# Altium PCB PcbLayout.PcbDoc (part 2 of 2)
Units mm, origin at the board's own origin, x right, y up, seen from the top; angles counter-clockwise.
Board outline 100.2 x 60.32 mm, 4 copper layers (Top level, GND, VDD Islands, Bottom level), stack 0.603 mm thick; 148 components, 119 nets, 459 pads, 174 vias.
Unrouted connection lines stored in the file: 11.
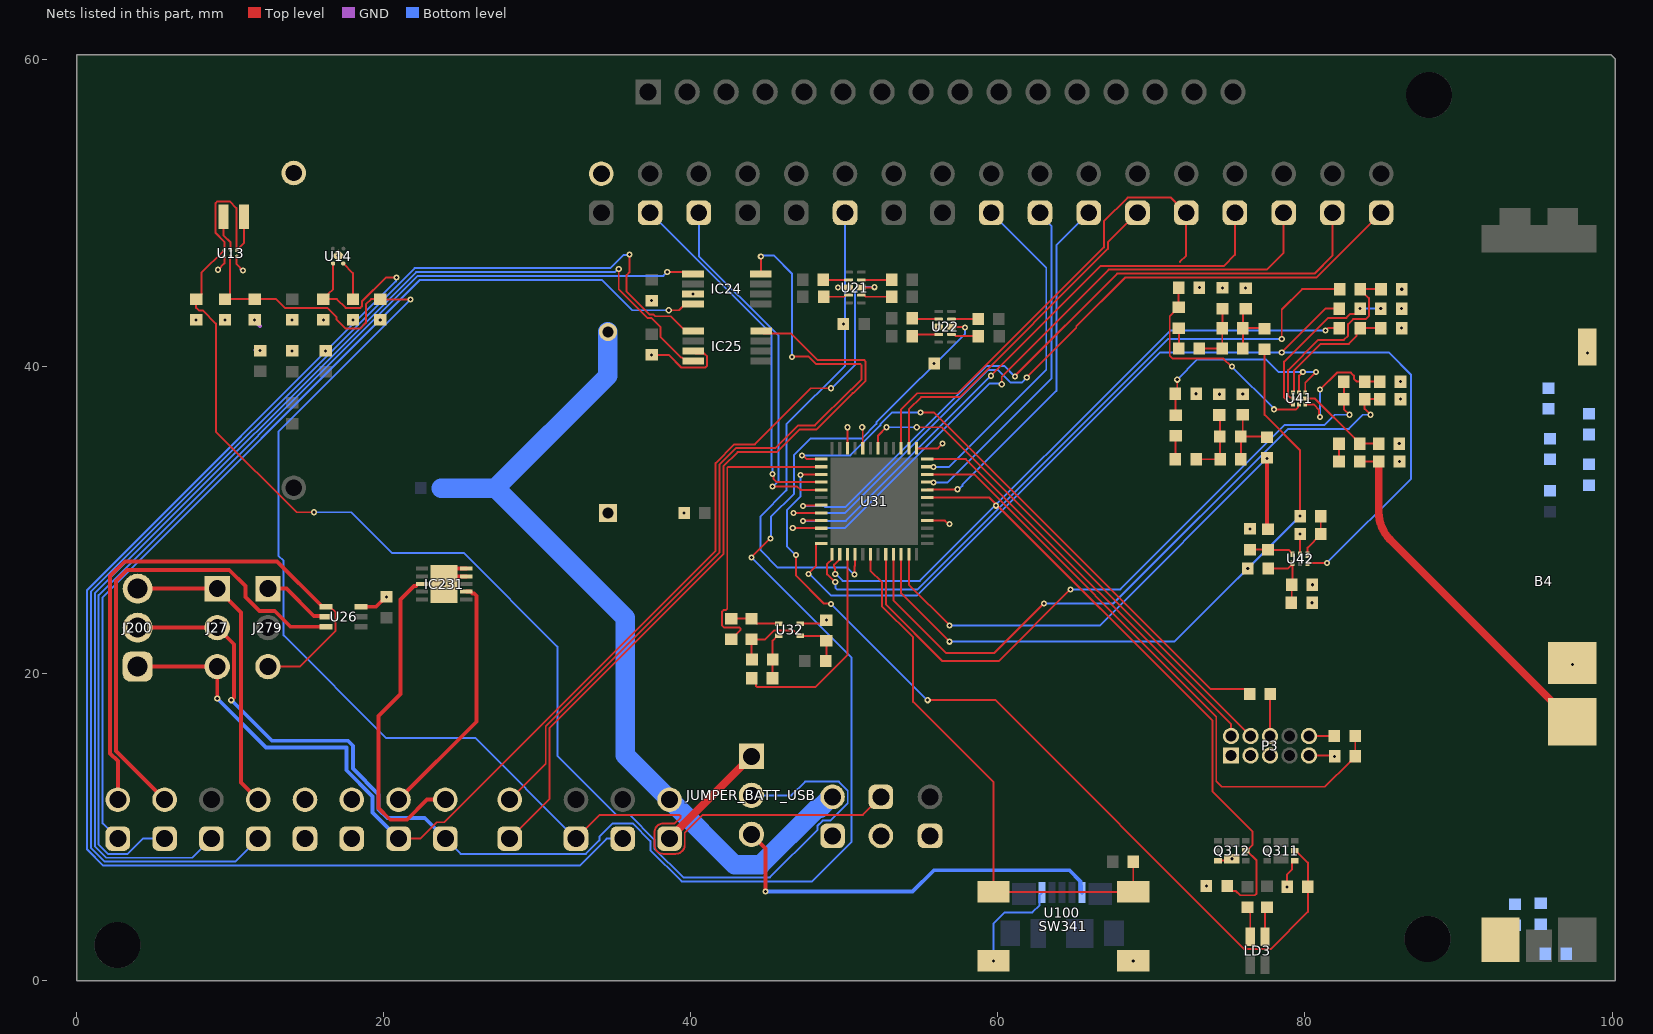
[diagram p4: the nets of this part, all layers, seen from the top]

## Via types
v1: diameter 0.4, hole 0.2, Top level to Bottom level, 99 vias
v2: diameter 0.4, hole 0.2, Top level to GND, 51 vias
v3: diameter 0.4, hole 0.2, Top level to VDD Islands, 22 vias
v4: diameter 1.27, hole 0.711, Top level to Bottom level, 2 vias

## Nets (pads, with @x,y where several pads share a name; then routed paths per layer and width w, separated by ;. In a path a pad name is that pad's centre, name@x,y a point inside that pad or via, vN(x,y) a via of type N, cw(c..) or ccw(c..) an arc to the next point about the centre after c; other vN are vias at no path point) (continued)
Drain: J27.2 J200.2 P_278.1 U22.8 | length 105.2
  Top level w0.127: v1(43.942,27.584) v1(45.182,28.825) ; U22.8@56.969,42.613 56.99,42.592 57.84,42.592 v1(57.861,42.57)
  Top level w0.254: J200.2@3.962,23.012 J27.2@9.144,23.012 10.223,21.933 10.223,18.453 v1(10.058,18.288)
  Bottom level w0.127: P_278.1@24.003,9.271 24.994,8.28 33.157,8.28 34.036,9.16 34.036,9.382 34.915,10.262 36.205,10.262 37.363,9.103 37.363,8.521 39.395,6.49 47.901,6.49 50.47,9.058 50.47,21.057 v1(43.942,27.584) ; v1(45.182,28.825) 45.212,28.854 45.212,30.225 46.726,31.739 46.726,34.275 47.779,35.327 51.12,35.327 52.086,36.294 52.086,36.379 57.861,42.154 v1(57.861,42.57)
  Bottom level w0.254: v1(10.058,18.288) 12.7,15.646 17.658,15.646 17.983,15.322 17.983,13.831 19.66,12.155 19.66,11.176 20.224,10.612 22.662,10.612 P_278.1@24.003,9.271
DRef_IN: IC25.8 P_273.1 | length 76.3
  Top level w0.127: v1(35.297,46.372) 35.297,45.058 37.184,43.171 37.441,43.171 38.03,42.581 38.03,41.944 39.364,40.61 39.433,40.61 39.668,40.376 IC25.8@40.155,40.376
  Bottom level w0.127: v1(8.763,9.271) 7.518,8.026 1.917,8.026 1.168,8.775 1.168,25.24 22.105,46.177 35.029,46.177 35.223,46.372 v1(35.297,46.372)
FE_CTRL1: R402.1 U31.12 U42.6 | length 70.2
  Top level w0.127: v1(47.65,26.518) 48.146,27.013 48.146,28.453 48.184,28.491 U31.12@48.489,28.491 ; v1(78.486,40.945) 81.331,43.79 R402.1@82.245,43.79 ; U42.6@80.176,27.203 80.189,27.216 81.42,27.216 v1(81.432,27.229)
  Bottom level w0.127: v1(47.65,26.518) 47.708,26.518 49.114,25.111 54.734,25.111 70.568,40.945 v1(78.486,40.945) 85.446,40.945 86.919,39.472 86.919,32.715 v1(81.432,27.229)
FE_CTRL2: R401.1 U31.13 | length 44.7
  Top level w0.127: U31.13@49.192,27.788 49.192,27.483 48.876,27.166 48.876,26.489 49.375,25.991 v1(49.4,25.991) ; v1(78.486,41.808) 78.486,43.739 79.807,45.06 R401.1@82.26,45.06
  Bottom level w0.127: v1(49.4,25.991) 49.404,25.986 49.404,25.6 49.503,25.502 54.765,25.502 71.072,41.808 v1(78.486,41.808)
FE_CTRL3: R403.2 U31.14 | length 41.3
  Top level w0.127: v1(49.4,26.518) 49.39,26.527 49.39,26.908 49.327,26.972 49.327,27.117 49.692,27.483 U31.14@49.692,27.788 ; v1(81.331,42.367) 81.483,42.52 R403.2@82.245,42.52
  Bottom level w0.127: v1(49.4,26.518) 49.425,26.518 49.882,26.06 54.915,26.06 71.222,42.367 v1(81.331,42.367)
G_High: J279.3 P_271.2 U26.4 | length 37.8
  Top level w0.127: J279.3@12.446,20.472 14.508,20.472 16.853,22.817 16.853,24.005 16.485,24.374 U26.4@16.237,24.374
  Top level w0.254: P_271.2@2.667,11.811 2.667,14.32 2.159,14.828 2.159,26.371 3.119,27.33 13.032,27.33 15.989,24.374 U26.4@16.237,24.374
G_High_IN: IC24.8 P_271.1 | length 64.1
  Top level w0.127: v1(38.557,43.688) 39.224,43.688 39.64,44.105 IC24.8@40.128,44.105
  Bottom level w0.127: v1(2.667,9.271) 1.676,10.262 1.676,24.994 22.352,45.669 34.188,45.669 36.17,43.688 v1(38.557,43.688)
G_Low: P_272.2 U26.6 | length 31.5
  Top level w0.254: P_272.2@5.715,11.811 2.54,14.986 2.54,26.064 3.257,26.781 9.924,26.781 10.986,25.72 10.986,25.003 11.898,24.091 12.893,24.091 13.911,23.074 U26.6@16.237,23.074
G_Low_IN: IC24.5 P_272.1 | length 68.7
  Top level w0.127: v1(38.456,46.177) 40.005,46.177 IC24.5@40.128,46.055
  Bottom level w0.127: v1(5.715,9.271) 4.302,9.271 3.312,8.28 2.022,8.28 1.422,8.88 1.422,25.135 22.21,45.923 38.202,45.923 v1(38.456,46.177)
Gate: J27.3 J200.1 P_277.1 U21.8 | length 77.2
  Top level w0.127: P_277.1@20.955,9.271 22.368,9.271 23.433,10.336 23.929,10.336 41.605,28.012 41.605,33.734 42.829,34.958 44.167,34.958 47.817,38.608 v1(49.127,38.608) ; U21.8@51.105,45.169 51.926,45.169 v1(51.947,45.191) v1@51.968,45.212
  Top level w0.254: J200.1@3.962,20.472 J27.3@9.144,20.472 v1(9.144,18.39)
  Bottom level w0.127: v1(49.127,38.608) 49.174,38.608 50.698,40.132 50.698,44.907 50.982,45.191 v1(51.947,45.191)
  Bottom level w0.254: v1(9.144,18.39) 12.318,15.215 17.551,15.215 17.551,13.725 19.253,12.022 19.253,10.973 P_277.1@20.955,9.271
GND: B4.2 BT?.N C111.1 C123.1 C124.1 C131.1 C133.1 C134.1 C135.1 C141.1 C142.1 C143.1 C211.2 C221.2 C232.2 C241.2 C251.2 C261.2 C301.2 C321.1 C401.1 C402.1 C403.1 C411.1 C413.1 C415.1 C421.1 C423.2 C425.2 C431.1 C433.2 C452.1 C461.1 C462.2 C463.2 C464.2 C465.2 IC24.7 IC25.7 IC231.4 IC231.5 IC231.11 L451.2 P3.03 P3.05 P3.09 P_275.1 P_275.2 P_276.1 P_276.2 P_Battery.1 P_Sup_Cap.1 P_Test_13.2 Q311.1 Q312.6 R122.2 R313.1 R314.1 SW341.1 U13.A2 U13.C2 U14.5 U21.3 U22.3 U26.3 U32.4 U41.6 U41.9 U42.2 U100.5 | length 32.9
  Top level w0.127: v2(9.195,46.33) 9.608,46.742 U13.C2@9.608,47.2 ; U13.A2@10.408,47.2 10.408,46.692 v2(10.82,46.279) ; C123.1@14.006,41.061 v2(14.021,41.046) ; v2(37.44,40.778) 38.547,40.778 39.364,39.96 40.947,39.96 41.058,40.072 41.058,40.68 40.874,40.864 40.317,40.864 IC25.7@40.155,41.026 ; U32.4@47.131,23.275 48.595,23.275 v2(48.819,23.499) ; v2(49.581,45.161) 49.585,45.165 50.266,45.165 U21.3@50.27,45.169 ; Q312.6@74.26,7.836 Q312.6@74.335,7.836 75.11,7.836 v2(75.235,7.961) ; C413.1@74.604,45.161 v2(74.625,45.14) ; v2(76.135,45.14) C415.1@76.149,45.125 ; v2(78.842,6.132) 78.842,6.943 79.149,7.25 79.149,7.724 79.26,7.836 Q311.1@79.335,7.836 ; U41.9@79.616,37.948 U41.6@79.616,38.341 79.616,39.433 v2(79.858,39.675) ; U42.2@79.676,27.788 v2(79.676,29.108) ; P3.09@80.264,14.681 81.875,14.681 v2(81.926,14.63)
  Top level w0.254: U26.3@18.51,24.374 19.493,24.374 20.143,25.023 v2(20.168,25.023) ; IC231.4@25.372,26.357 24.427,26.357 v2(23.927,25.857) 23.927,26.108 24.676,26.857 IC231.5@25.372,26.857
  GND w0.254: v2@10.73,46.33 10.781,46.279 v2(10.82,46.279) ; v2(11.582,43.064) 11.582,43.024 11.938,42.669 ; 11.627,41.089 11.91,41.089 v2(11.938,41.061) ; v2(14.021,41.046) v2@14.028,41.046 ; v2@16.046,43.064 v2(16.053,43.064) ; 17.955,42.796 17.955,43.036 v2(17.983,43.064) ; v2@49.581,45.122 v2(49.581,45.161) ; v2@49.936,42.75 v2(49.936,42.79) ; v2@56.134,42.574 v2(56.134,42.613) ; v1@72.913,38.292 v1(72.913,38.252) v1@72.931,38.234 ; v2(73.116,45.161) v2@73.127,45.15 ; v2@73.552,6.046 73.552,6.155 v2(73.58,6.183) ; v1@74.404,38.234 v1(74.422,38.216) v1@74.429,38.223 ; v2@74.614,45.15 v2(74.625,45.14) ; v2@75.207,7.81 75.207,7.933 v2(75.235,7.961) ; v1@75.939,38.223 v1(75.946,38.231) ; v2@76.425,29.403 v2(76.425,29.442) ; P3.03@76.454,14.532 P3.03@76.454,14.681 ; v2(80.467,24.638) v2@80.478,24.649 ; v2@80.478,25.796 v2(80.489,25.806) ; v2(86.142,35.001) v2@86.15,34.994 ; v2@86.142,37.777 86.222,37.857 v2(86.222,37.897) ; v2@86.15,33.84 v2(86.157,33.833) ; v2(86.222,39.04) 86.222,39.079 v2@86.288,39.145 ; v2(86.288,43.79) v2@86.295,43.797 ; v2@86.295,45.052 v2(86.302,45.06)
  Bottom level w0.127: v2(59.712,1.306) 59.712,3.75 60.434,4.472 62.245,4.472 62.714,4.941 62.714,5.594 U100.5@62.879,5.759
  other v2: 68.812,1.306 49.225,9.449 52.375,9.449 55.575,9.449 97.434,20.625 76.272,26.873 34.597,30.48 39.559,30.48 55.84,40.226 16.205,41.046 86.288,42.52 7.772,43.064 9.652,43.064 14.021,43.064 19.761,43.064 37.44,44.319 40.128,44.755 17.018,47.244
  other v4: 14.122,52.629
GRef: J279.1 U26.5 | length 4.5
  Top level w0.254: J279.1@12.446,25.552 13.652,25.552 15.43,23.774 16.186,23.774 U26.5@16.237,23.724
IN+_OP_AMP_DRAIN_MICRO: P_321.1 U31.38 | length 23
  Top level w0.127: U31.38@54.194,34.696 54.194,37.226 54.995,38.028 57.499,38.028 67.158,47.686 67.158,48.108 P_321.1@69.088,50.038
IN+_OP_AMP_GATE_MICRO: P_319.1 U31.33 | length 22
  Top level w0.127: U31.33@55.397,32.492 55.776,32.492 v1(55.807,32.461)
  Bottom level w0.127: v1(55.807,32.461) 56.693,32.461 63.5,39.268 63.5,49.176 62.738,49.938 v1(62.738,50.038)
IN_Drain_Minus: IC231.8 P_278.2 | length 21.2
  Top level w0.254: IC231.8@22.481,25.857 22.204,25.857 22.086,25.739 21.972,25.739 21.076,24.842 21.076,18.696 19.647,17.267 19.647,11.269 20.413,10.503 21.497,10.503 22.805,11.811 P_278.2@24.003,11.811
In_Gate_Minus: IC231.2 P_277.2 | length 16.1
  Top level w0.254: P_277.2@20.955,11.811 26.03,16.886 26.03,25.09 25.881,25.239 25.767,25.239 25.649,25.357 IC231.2@25.372,25.357
LED1: Q311.2 R313.2 U31.3 | length 57.4
  Top level w0.127: v1(46.838,27.737) 46.838,26.416 48.666,24.587 49.073,24.587 v1(49.115,24.545) ; v1(47.142,32.969) 47.166,32.992 U31.3@48.489,32.992 ; v1(55.423,18.288) 59.842,18.288 76.054,2.076 77.765,2.076 80.192,4.503 R313.2@80.192,6.132 80.192,7.705 79.41,8.486 Q311.2@79.335,8.486
  Bottom level w0.127: v1(46.838,27.737) 46.244,28.33 46.244,30.675 47.142,31.573 v1(47.142,32.969) ; v1(49.115,24.545) 49.141,24.545 55.397,18.288 v1(55.423,18.288)
LED2: Q312.2 R314.2 U31.31 | length 39.6
  Top level w0.127: U31.31@55.397,31.492 59.44,31.492 73.965,16.967 73.965,12.361 76.575,9.751 76.575,8.852 Q312.2@76.21,8.486 ; R314.2@74.93,6.183 74.93,6.158 75.242,5.846 75.507,5.846 75.772,5.581 76.73,5.581 76.841,5.693 76.841,7.854 Q312.2@76.21,8.486 ; Q312.2@76.135,8.486 Q312.2@76.21,8.486
  other v3: 59.868,30.957
MUX_DRAIN_A0_MICRO: P_324.1 U31.10 | length 44.2
  Top level w0.127: v1(46.634,29.515) 46.646,29.503 48.477,29.503 U31.10@48.489,29.492 ; v1(60.249,38.869) 60.249,39.37 67.208,46.33 77.521,46.33 78.613,47.422 P_324.1@78.613,50.038
  Bottom level w0.127: v1(46.634,29.515) 50.038,29.515 59.439,38.916 60.201,38.916 v1(60.249,38.869)
MUX_DRAIN_A1_MICRO: P_323.1 U31.9 | length 39.3
  Top level w0.127: v1(47.295,29.972) 47.305,29.982 48.479,29.982 U31.9@48.489,29.992 ; v1(59.538,39.421) 66.7,46.584 74.727,46.584 75.438,47.295 P_323.1@75.438,50.038
  Bottom level w0.127: v1(47.295,29.972) 50.089,29.972 v1(59.538,39.421)
MUX_GATE_A0_MICRO: P_326.1 U31.8 | length 48.9
  Top level w0.127: v1(46.685,30.48) 47.127,30.48 47.139,30.492 U31.8@48.489,30.492 ; v1(61.874,39.319) 65.101,42.546 65.101,42.647 68.275,45.822 80.747,45.822 P_326.1@84.963,50.038
  Bottom level w0.127: v1(46.685,30.48) 50.035,30.48 59.366,39.811 60,39.811 60.829,38.982 61.537,38.982 v1(61.874,39.319)
MUX_GATE_A1_MICRO: P_325.1 U31.7 | length 45.9
  Top level w0.127: v1(47.295,30.937) 47.322,30.965 48.461,30.965 U31.7@48.489,30.992 ; v1(61.11,39.373) 61.11,39.419 67.767,46.076 80.62,46.076 81.788,47.244 P_325.1@81.788,50.038
  Bottom level w0.127: v1(47.295,30.937) 48.684,30.937 48.751,30.87 50.066,30.87 59.261,40.065 60.418,40.065 v1(61.11,39.373)
N_RST: R341.1 SW341.2 U31.18 | length 36.4
  Top level w0.127: U31.18@51.693,27.788 51.693,26.736 52.439,25.989 52.439,24.418 54.474,22.383 54.474,18.173 59.712,12.934 SW341.2@59.712,5.806 SW341.2@68.812,5.806 R341.1@68.812,7.772
NetB4_1: B4.1 C451.1 L451.1 | length 23.3
  Top level w0.127: C451.1@83.566,33.833 L451.1@84.807,33.833
  Top level w0.508: L451.1@84.807,33.833 84.807,30.545 ccw(c87.347,30.545) 85.551,28.749 B4.1@97.409,16.891
NetB4_4: B4.4 R441.1
  other v1: 98.4,40.894
NetB4_5: B4.5 R446.1
NetC111_2: C111.2 P_SHTDWN_BTRY.2 P_Sup_Cap.2 R110.2 | length 55.9
  Bottom level w1.27: R110.2@23.738,32.106 27.28,32.106 ; C111.2@34.597,42.28 34.597,39.423 27.28,32.106 ; P_Sup_Cap.2@49.225,11.989 49.136,11.989 48.412,11.265 48.239,11.265 44.543,7.569 42.85,7.569 P_SHTDWN_BTRY.2@38.608,11.811 35.712,14.707 35.712,23.673 27.28,32.106
NetC131_2: C131.2 JUMPER_BATT_USB.2 L132.1 U13.A1 U13.C1 | length 90.9
  Top level w0.127: L132.1@10.9,49.784 10.9,48.092 U13.A1@10.408,47.6 10.408,48.882 10.385,48.905 10.385,50.344 9.954,50.775 9.146,50.775 9.035,50.663 9.035,48.722 9.608,48.15 U13.C1@9.608,47.6 9.588,47.58 9.556,47.58 8.109,46.133 8.109,44.725 7.797,44.414 C131.2@7.772,44.414 7.772,43.848 7.938,43.683 8.198,43.683 9.061,42.819 9.061,35.789 14.319,30.531 v1(15.443,30.531)
  Bottom level w0.127: v1(15.443,30.531) 17.882,30.531 20.523,27.889 25.19,27.889 31.296,21.784 31.296,14.675 35.15,10.82 36.005,10.82 37.617,9.208 37.617,8.626 39.5,6.744 45.148,6.744 48.235,9.831 48.235,10.093 48.581,10.439 49.076,10.439 50.216,11.579 50.216,12.399 49.635,12.979 47.439,12.979 46.55,12.09 JUMPER_BATT_USB.2@43.942,12.09
NetC133_2: C133.2 C134.2 C135.2 P_Test_3V3.1 P_Test_13.1 U13.B2 | length 95.3
  Top level w0.127: C134.2@9.652,44.414 C134.2@9.677,44.414 ; U13.B2@10.008,47.2 9.989,47.181 9.989,44.725 C134.2@9.677,44.414 ; v1(21.742,44.399) 19.776,44.399 C135.2@19.761,44.414 19.171,44.414 18.828,44.071 18.828,42.864 18.462,42.498 17.504,42.498 16.909,43.094 16.909,43.253 16.313,43.848 13.542,43.848 12.976,44.414 C133.2@11.582,44.414 C134.2@9.677,44.414 ; P_Test_3V3.1@32.512,9.271 34.061,10.82 39.249,10.82 39.324,10.746 39.324,10.641 38.944,10.262 38.208,10.262 ccw(c38.208,9.671) 37.617,9.671 37.617,8.871 ccw(c38.208,8.871) 38.208,8.28 39.008,8.28 ccw(c39.008,8.871) 39.599,8.871 39.599,9.658 40.761,10.82 51.206,10.82 P_Test_13.1@52.375,11.989
  Bottom level w0.127: v1(21.742,44.399) 13.132,35.789 13.132,27.69 13.461,27.36 13.461,22.511 20.161,15.812 25.971,15.812 P_Test_3V3.1@32.512,9.271
NetC141_2: C141.2 U14.2 | length 2.6
  Top level w0.127: U14.2@17.348,46.739 17.983,46.104 C141.2@17.983,44.414
NetC142_2: C142.2 P_test_1V5.1 U14.1 | length 90.3
  Top level w0.127: C142.2@16.053,44.414 C142.2@16.078,44.414 ; U14.1@16.688,46.739 16.688,45.049 16.389,44.75 16.389,44.725 C142.2@16.078,44.414 ; v1(20.828,45.822) 20.125,45.822 18.574,44.271 18.574,43.96 18.462,43.848 17.504,43.848 16.939,44.414 C142.2@16.078,44.414
  Bottom level w0.127: v1(20.828,45.822) 20.78,45.775 20.78,45.571 0.66,25.451 0.66,8.565 1.707,7.518 32.754,7.518 34.506,9.271 P_test_1V5.1@35.56,9.271
NetC321_2: C321.2 R321.1 R322.2 R323.2 U32.3 | length 8
  Top level w0.127: R323.2@43.978,20.944 43.942,20.98 R322.2@43.942,22.25 44.838,22.25 45.402,22.815 46.691,22.815 47.031,22.475 U32.3@47.131,22.475 48.468,22.475 48.794,22.149 C321.2@48.819,22.149 48.819,20.893 R321.1@48.768,20.843
NetC401_2: C401.2 R401.2 U41.8 | length 12.5
  Top level w0.127: U41.8@79.223,37.948 79.159,38.011 79.023,38.011 78.899,38.135 78.899,39.783 80.874,41.758 82.528,41.758 82.811,42.041 82.811,42.78 83.141,43.11 83.96,43.11 84.161,43.311 84.161,44.484 83.61,45.035 R401.2@83.61,45.06 C401.2@84.952,45.06
NetC402_2: C402.2 R402.2 U41.1 | length 10.8
  Top level w0.127: U41.1@79.216,37.554 79.153,37.617 79.029,37.617 78.645,38.002 78.645,40.342 81.502,43.199 82.699,43.199 82.953,43.453 83.284,43.453 83.595,43.765 v1(83.595,43.79)
  Bottom level w0.127: v1(83.595,43.79) v1(84.938,43.79)
NetC403_2: C403.2 R403.1 U41.7 | length 8.4
  Top level w0.127: U41.7@79.216,38.341 79.28,38.405 79.28,39.757 81.026,41.504 82.855,41.504 83.355,42.003 83.355,42.279 R403.1@83.595,42.52 C403.2@84.938,42.52
NetC411_2: C411.2 L411.2 U41.2 | length 14.8
  Top level w0.127: C411.2@71.766,45.161 71.766,43.88 71.19,43.304 71.19,40.73 71.382,40.538 74.683,40.538 75.191,40.03 v1(75.235,40.03) ; v1(77.985,37.236) 79.422,37.236 79.553,37.367 79.553,37.49 U41.2@79.616,37.554
  Bottom level w0.127: v1@75.235,40.008 v1@77.985,37.258
  Bottom level w0.254: v1@75.235,40.008 v1(75.235,40.03) ; v1(77.985,37.236) v1@77.985,37.258
NetC412_1: C412.1 L411.1 | length 1.3
  Top level w0.127: C412.1@71.766,41.199 71.78,41.213 L411.1@71.78,42.52
NetC412_2: C412.2 C413.2 C414.1 L412.2 | length 4.1
  Top level w0.127: C412.2@73.116,41.199 C414.1@74.611,41.199 L412.2@74.611,42.52 74.625,42.534 C413.2@74.625,43.79
NetC414_2: C414.2 C415.2 L412.1 L413.2 | length 4.2
  Top level w0.127: C414.2@76.033,41.271 C414.2@75.961,41.199 L412.1@75.961,42.52 ; C415.2@76.149,43.775 75.961,43.586 L412.1@75.961,42.52 ; L413.2@77.368,42.483 77.332,42.52 L412.1@75.961,42.52
NetC421_2: C421.2 L421.2 U41.5 | length 13.9
  Top level w0.127: L421.2@71.577,36.859 71.577,38.238 C421.2@71.563,38.252 71.679,38.369 v1(71.679,39.167) ; U41.5@80.016,38.341 80.016,38.97 v1(80.721,39.675)
  Bottom level w0.127: v1(71.679,39.167) 72.996,40.484 77.459,40.484 78.269,39.675 v1(80.721,39.675)
NetC422_1: C422.1 L421.1 | length 1.5
  Top level w0.127: C422.1@71.563,33.985 71.563,35.495 L421.1@71.577,35.509
NetC422_2: C422.2 C423.1 C424.1 L422.2 | length 4.5
  Top level w0.127: C422.2@72.913,33.985 C424.1@74.473,33.985 74.473,35.444 L422.2@74.458,35.458 74.458,36.83 C423.1@74.422,36.866
NetC424_2: C424.2 C425.1 L422.1 L423.2 | length 4.7
  Top level w0.127: C424.2@75.823,33.985 75.823,35.444 L422.1@75.808,35.458 ; C425.1@75.946,36.881 75.946,35.596 L422.1@75.808,35.458 ; L423.2@77.521,35.422 77.485,35.458 L422.1@75.808,35.458
NetC431_2: C431.2 C432.1 U41.3 | length 8
  Top level w0.127: U41.3@80.016,37.554 80.556,37.554 80.928,37.182 80.928,36.776 v1(80.975,36.728) ; v1(80.975,38.52) 82.085,39.63 82.993,39.63 83.191,39.433 83.191,39.237 83.388,39.04 C432.1@83.889,39.04 C431.2@84.872,39.04
  Bottom level w0.127: v1(80.975,36.728) v1(80.975,38.52)
NetC451_2: C451.2 L452.2 | length 1.2
  Top level w0.127: C451.2@82.216,33.833 L452.2@82.216,35.001
NetC452_2: C452.2 L452.1 U41.4 | length 6
  Top level w0.127: U41.4@80.01,37.948 80.62,37.948 83.229,35.338 83.254,35.338 83.566,35.026 L452.1@83.566,35.001 C452.2@84.792,35.001
NetC461_2: C461.2 L461.1 U42.3 | length 2.9
  Top level w0.127: C461.2@76.425,28.092 77.579,28.092 L461.1@77.593,28.078 78.937,28.078 79.176,27.838 U42.3@79.176,27.788
NetC462_1: C462.1 L462.1 U42.1 | length 2.9
  Top level w0.127: U42.1@80.176,27.762 80.176,28.233 81.026,29.083 C462.1@81.026,29.108 L462.1@81.026,30.277
NetIC24_4: IC24.4 P241_REFOUT_MAX.2 | length 53.9
  Top level w0.127: P241_REFOUT_MAX.2@28.194,11.811 30.543,14.16 30.543,16.592 41.859,27.907 41.859,33.629 42.934,34.704 45.496,34.704 46.979,36.186 48.076,36.186 50.431,38.541 50.473,38.541 51.115,39.184 51.115,40.108 51.041,40.183 48.152,40.183 47.644,40.691 46.634,40.691 v1(46.584,40.64) ; IC24.4@44.552,46.055 v1(44.552,47.193)
  Bottom level w0.127: v1(44.552,47.193) 44.604,47.245 45.414,47.245 46.584,46.076 v1(46.584,40.64)
NetIC25_4: IC25.4 P241_REFOUT_MAX.1 | length 50.5
  Top level w0.127: P241_REFOUT_MAX.1@28.194,9.271 30.797,11.874 30.797,16.486 42.113,27.802 42.113,33.523 43.039,34.45 45.601,34.45 47.084,35.932 48.182,35.932 50.537,38.287 50.578,38.287 51.369,39.079 51.369,40.362 51.295,40.437 48.257,40.437 46.529,42.164 44.741,42.164 IC25.4@44.579,42.326
NetJUMPER_BATT_USB_1: JUMPER_BATT_USB.1 P_SHTDWN_BTRY.1 | length 7.6
  Top level w0.127: P_SHTDWN_BTRY.1@38.608,9.271 P_SHTDWN_BTRY.1@38.608,9.296
  Top level w0.508: P_SHTDWN_BTRY.1@38.608,9.296 JUMPER_BATT_USB.1@43.942,14.63
NetLD3_1: LD3.1 R312.2 | length 2
  Top level w0.127: R312.2@76.251,4.797 cw(c75.803,4.349) 76.436,4.349 LD3.1@76.436,2.867
NetLD3_2: LD3.2 R311.2 | length 2
  Top level w0.127: LD3.2@77.386,2.867 77.386,4.486 cw(c77.846,4.486) R311.2@77.521,4.811
NetP3_10: P3.10 R301.1 | length 1.6
  Top level w0.127: P3.10@80.264,15.951 R301.1@81.911,15.951
NetR201_1: R201.1 U21.7 | length 2
  Top level w0.127: U21.7@51.105,44.669 51.287,44.669 51.389,44.568 R201.1@53.071,44.568
NetR202_1: R202.1 U21.4 | length 1.7
  Top level w0.127: R202.1@48.645,44.568 49.986,44.568 50.087,44.669 U21.4@50.27,44.669
NetR203_1: R203.1 U21.9 | length 2
  Top level w0.127: U21.9@51.105,45.669 53.055,45.669 R203.1@53.071,45.685
NetR204_1: R204.1 U21.2 | length 1.6
  Top level w0.127: R204.1@48.63,45.685 48.646,45.669 U21.2@50.27,45.669
NetR205_1: R205.1 U22.7 | length 1.8
  Top level w0.127: U22.7@56.969,42.113 57.152,42.113 57.261,42.004 R205.1@58.721,42.004
NetR206_1: R206.1 U22.4 | length 1.7
  Top level w0.127: R206.1@54.432,42.004 54.542,42.113 U22.4@56.134,42.113
NetR207_1: R207.1 U22.9 | length 1.7
  Top level w0.127: U22.9@56.969,43.113 58.699,43.113 R207.1@58.707,43.121
NetR208_1: R208.1 U22.2 | length 1.7
  Top level w0.127: R208.1@54.418,43.172 54.477,43.113 U22.2@56.134,43.113
NetR322_1: R322.1 R325.2 U32.1 | length 3.2
  Top level w0.127: R325.2@42.621,23.6 R322.1@43.942,23.6 43.967,23.6 44.293,23.275 U32.1@45.731,23.275
NetR323_1: R323.1 R324.2 U32.2 | length 3
  Top level w0.127: R324.2@45.314,19.725 45.328,19.74 R323.1@45.328,20.944 45.328,22.172 45.631,22.475 U32.2@45.731,22.475
NetR331_2: R331.2 U31.1 | length 39.3
  Top level w0.127: v1(47.235,34.231) 47.309,34.231 47.547,33.993 U31.1@48.489,33.993 ; v1(54.966,37.033) 55.829,37.033 73.831,19.031 76.077,19.031 76.389,18.719 R331.2@76.389,18.694
  Bottom level w0.127: v1(47.235,34.231) 50.383,34.231 52.34,36.188 52.34,36.274 53.099,37.033 v1(54.966,37.033)
NetR441_2: R441.2 R442.1
NetR442_2: R442.2 R443.1
NetR443_2: R443.2 R444.1
NetR444_2: R444.2 R445.1
NetR446_2: R446.2 R447.1
NetR447_2: R447.2 R448.1
NetR448_2: R448.2 R449.1
nReset: C301.1 R301.2 U31.34 | length 40.9
  Top level w0.127: U31.34@55.397,32.992 58.448,32.992 74.219,17.221 74.219,13.005 74.574,12.649 81.295,12.649 82.939,14.294 82.964,14.294 83.276,14.605 C301.1@83.276,14.63 83.276,15.937 R301.2@83.261,15.951
OUT_OP_AMP_DRAIN_micro: P_322.1 U31.39 | length 31.6
  Top level w0.127: U31.39@53.693,34.696 53.693,37.234 54.741,38.282 57.394,38.282 66.904,47.791 66.904,49.489 68.443,51.029 71.272,51.029 P_322.1@72.263,50.038 72.263,47.244 71.857,46.838
OUT_OP_AMP_GATE_MICRO: P_320.1 U31.32 | length 23.6
  Top level w0.127: U31.32@55.397,31.992 55.416,32.011 57.351,32.011 v1(57.37,32.029)
  Bottom level w0.127: v1(57.37,32.029) 57.443,32.029 57.664,32.25 57.701,32.25 57.701,32.34 63.805,38.444 63.805,47.93 v1(65.913,50.038)
PIN_MONITOR: P_311.1 U31.4 | length 23.9
  Top level w0.127: v1(45.319,33.02) 45.372,32.968 45.372,32.707 45.582,32.497 48.484,32.497 U31.4@48.489,32.492
  Bottom level w0.127: v1(37.338,50.038) 45.263,42.113 45.263,33.474 45.319,33.417 v1(45.319,33.02)
SCLK: R324.1 U31.15 | length 14
  Top level w0.127: R324.1@43.964,19.725 44.238,19.451 44.238,19.209 44.312,19.134 48.104,19.134 50.193,21.223 U31.15@50.193,27.788
SCLK_MICRO: P_315.1 U31.16 | length 32.4
  Top level w0.127: v1(50.648,26.467) 50.648,27.015 50.693,27.06 U31.16@50.693,27.788
  Bottom level w0.127: v1(50.038,50.038) 50.038,40.071 46.218,36.251 46.218,31.95 44.538,30.269 44.538,28.056 45.669,26.924 50.19,26.924 v1(50.648,26.467)
SDATA: R325.1 U31.2 | length 18.9
  Top level w0.127: R325.1@42.621,22.25 43.226,22.855 43.226,22.961 43.152,23.035 42.142,23.035 42.031,23.146 42.031,24.054 42.142,24.166 42.293,24.166 42.367,24.24 42.367,33.418 42.442,33.493 U31.2@48.489,33.493
SEL_MUX_VGATE_MICRO: P_312.1 U31.5 | length 23.4
  Top level w0.127: v1(45.319,32.207) 46.926,32.207 47.141,31.992 U31.5@48.489,31.992
  Bottom level w0.127: v1(40.513,50.038) 40.513,47.222 45.71,42.025 45.71,32.598 v1(45.319,32.207)
Sg_Radio_RF0_HP: L423.1 L461.2 U31.23 | length 35.9
  Top level w0.127: U31.23@54.194,27.788 54.194,25.816 v1(56.845,23.165) ; L461.2@77.521,29.5 L461.2@77.593,29.428
  Top level w0.254: L423.1@77.273,33.824 L423.1@77.521,34.072 v1(77.521,34.036) L461.2@77.521,29.5
  Bottom level w0.127: v1(56.845,23.165) 66.65,23.165 v1(77.521,34.036)
Sg_Radio_RF0_LP: L413.1 L462.2 U31.22 | length 45
  Top level w0.127: U31.22@53.693,27.788 53.693,25.25 v1(56.845,22.098) ; L413.1@77.368,41.133 77.368,36.871 79.676,34.564 v1(79.676,30.277)
  Bottom level w0.127: v1(56.845,22.098) 71.497,22.098 v1(79.676,30.277)
Sg_Radio_RFI_N: C433.1 L431.1 U31.21 | length 44.1
  Top level w0.127: U31.21@53.193,27.788 53.193,24.785 56.607,21.371 59.776,21.371 v1(62.992,24.587) ; v1(84.277,36.881) 83.889,37.269 L431.1@83.889,37.897 C433.1@84.872,37.897
  Bottom level w0.127: v1(62.992,24.587) 67.52,24.587 78.899,35.966 82.855,35.966 83.769,36.881 v1(84.277,36.881)
Sg_Radio_RFI_P: C432.2 L431.2 U31.20 | length 44
  Top level w0.127: U31.20@52.693,27.788 52.693,24.523 56.388,20.828 60.046,20.828 v1(64.719,25.502) ; C432.2@82.539,39.04 L431.2@82.539,37.897 82.539,37.247 v1(82.906,36.881)
  Bottom level w0.127: v1(64.719,25.502) 67.97,25.502 78.689,36.22 81.28,36.22 81.94,36.881 v1(82.906,36.881)
SHTDWN_LTC2067_MICRO: P_318.1 U31.35 | length 22.1
  Top level w0.127: U31.35@55.397,33.493 55.792,33.493 v1(55.807,33.477)
  Bottom level w0.127: v1(55.807,33.477) 56.794,33.477 63.144,39.827 63.144,46.457 v1(59.563,50.038)
Source: J27.1 J200.3 P_274.2 | length 20
  Top level w0.254: J200.3@3.962,25.552 J27.1@9.144,25.552 10.698,23.999 10.698,12.924 P_274.2@11.811,11.811
Source_IN: IC25.5 P_274.1 | length 80.6
  Top level w0.127: v1(35.994,47.318) 35.994,46.162 35.814,45.983 35.814,44.9 37.289,43.425 37.546,43.425 37.673,43.298 38.696,43.298 39.668,42.326 IC25.5@40.155,42.326
  Bottom level w0.127: v1(11.811,9.271) 10.312,7.772 1.812,7.772 0.914,8.67 0.914,25.346 22,46.431 34.747,46.431 35.603,47.287 35.962,47.287 v1(35.994,47.318)
SW_Boost: L132.2 U13.B1 | length 2.4
  Top level w0.127: L132.2@9.55,49.784 9.55,48.566 10.008,48.109 U13.B1@10.008,47.6
SWCLK: P3.04 U31.42 | length 33.7
  Top level w0.127: U31.42@52.193,34.696 52.193,35.531 v1(52.73,36.068) ; v1(54.712,36.068) 56.337,36.068 P3.04@76.454,15.951
  Bottom level w0.127: v1(52.73,36.068) v1(54.712,36.068)
SWDIO: P3.02 U31.36 | length 27.7
  Top level w0.127: U31.36@55.397,33.993 57.905,33.993 75.184,16.713 P3.02@75.184,15.951
SWO: P3.06 R331.1 | length 2.7
  Top level w0.127: P3.06@77.724,15.951 77.724,18.68 R331.1@77.739,18.694
VDD_nrf91: P3.01 P31.2 U31.28 U31.37 U31.44 U31.46 | length 6.1
  Top level w0.127: v3(50.19,36.068) 50.193,36.066 U31.46@50.193,34.696 ; v3(51.156,36.068) 51.193,36.031 U31.44@51.193,34.696 ; U31.37@54.694,34.696 56.083,34.696 v3(56.388,35.001) ; U31.28@55.397,29.992 56.548,29.992 56.771,29.769 v3(56.845,29.769)
VDD_USB: JUMPER_BATT_USB.3 U100.1 | length 26.7
  Top level w0.254: JUMPER_BATT_USB.3@43.942,9.55 44.856,8.636 v1(44.856,5.82)
  Bottom level w0.127: U100.1@65.479,5.759 65.479,5.86 U100.1@65.479,6.216
  Bottom level w0.254: v1(44.856,5.82) 54.437,5.82 55.831,7.214 64.648,7.214 65.377,6.484 65.377,6.216 65.377,5.86 U100.1@65.479,5.759
VR_PA: C463.1 C464.1 C465.1 U42.4 | length 4.3
  Top level w0.127: C463.1@77.622,26.873 78.897,26.873 U42.4@79.176,27.153 ; C465.1@79.117,24.638 79.139,24.66 C464.1@79.139,25.806 79.176,25.844 U42.4@79.176,27.153 ; U42.4@79.176,27.203 U42.4@79.176,27.153
pads on no net: B4.3 B4.3_1 B4.3_2 B4.6 B4.7 H1.1 H2.1 H3.1 P3.07 P3.08 Q311.3 Q311.4 Q311.5 Q312.3 Q312.4 Q312.5 R445.2 R449.2 U31.19 U31.24 U31.25 U31.26 U31.27 U31.30 U31.41 U31.47 U31.48 U31.49 U100.2 U100.3 U100.4 U100.6 U100.7 U100.8 U100.9 U100.10 U100.11
copper on no net:
  other v1: 98.298,3.505 14.935,5.69

## Polygon pours and split planes (outlines as drawn)
no net on Bottom level "NONET_L04_P019" (solid, pour order 19): 94.158,1.219 94.158,1.524 94.793,1.524 94.793,1.219
no net on Bottom level "NONET_L04_P015" (solid, pour order 15): 94.793,1.219 94.793,4.166 96.114,4.166 96.114,1.219
no net on Bottom level "NONET_L04_P018" (solid, pour order 18): 96.088,3.861 96.088,4.166 96.52,4.166 96.52,3.861
no net on Bottom level "NONET_L04_P017" (solid, pour order 17): 95.91,4.521 92.964,4.521 92.964,5.842 95.91,5.842
no net on Bottom level "NONET_L04_P016" (solid, pour order 16): 96.52,1.219 96.52,4.166 99.162,4.166 99.162,1.219
no net on Bottom level "NONET_L04_P014" (solid, pour order 14): 92.862,1.219 92.862,4.166 94.183,4.166 94.183,1.219
no net on Bottom level "NONET_L04_P010" (solid, pour order 10): 91.237,1.219 91.237,4.166 92.558,4.166 92.558,1.219
no net on Bottom level "NONET_L04_P009" (solid, pour order 9): 97.18,34.798 97.587,34.798 97.587,34.366 97.18,34.366
no net on Bottom level "NONET_L04_P008" (solid, pour order 8): 97.18,36.487 97.587,36.487 97.587,36.055 97.18,36.055
NetR441_2 on Bottom level "NETR441_2_L04_P007" (solid, pour order 7): 97.18,38.163 97.587,38.163 97.587,37.732 97.18,37.732
no net on Bottom level "NONET_L04_P004" (solid, pour order 4): 95.199,37.744 99.162,37.744 99.162,36.474 95.199,36.474
no net on Bottom level "NONET_L04_P005" (solid, pour order 5): 95.199,41.808 99.162,41.808 99.162,38.151 95.199,38.151
no net on Bottom level "NONET_L04_P003" (solid, pour order 3): 95.199,36.068 99.162,36.068 99.162,34.798 95.199,34.798
no net on Bottom level "NONET_L04_P002" (solid, pour order 2): 95.199,34.392 99.162,34.392 99.162,33.122 95.199,33.122
no net on Bottom level "NONET_L04_P001" (solid, pour order 1): 95.199,32.715 99.162,32.715 99.162,31.445 95.199,31.445
no net on Bottom level "NONET_L04_P000" (solid, pour order 0): 95.199,31.039 99.162,31.039 99.162,29.769 95.199,29.769
1V5 on VDD Islands "1V5_L03_P029" (solid, pour order 29): 57.912,33.59 57.912,30.48 58.725,29.667 59.69,30.48 59.608,35.286 55.778,39.116 46.177,38.76 48.362,27.838 34.036,12.446 33.528,10.516 30.124,10.211 15.596,24.74 15.596,45.364 13.31,45.364 11.024,43.078 11.024,21.793 22.758,7.315 33.642,7.315 35.306,9.042 50.851,27.838 48.469,37.338 56.1,37.084 58.155,34.785
3V3 on VDD Islands "3V3_L03_P031" (solid, pour order 31): 87.478,54.356 87.478,10.414 78.588,0.406 77.165,0.406 0.254,0.406 0.254,54.204 0.508,54.458 0.61,54.356
VDD_nrf91 on VDD Islands "VDD_NRF91_L03_P030" (solid, pour order 30): 34.938,51.359 35.509,51.99 35.509,53.696 34.696,54.508 0.254,54.508 0.254,8.331 3.708,5.436 4.166,5.436 62.281,5.436 65.227,8.382 70.612,8.382 77.013,14.326 77.013,16.612 71.476,16.612 57.201,30.886 57.201,35.458 55.778,36.881 49.245,37.053 49.53,35.458 50.8,34.341 55.067,34.341 55.474,33.934 55.474,29.159 70.815,13.818 67.615,10.617 48.514,10.617 44.735,6.838 5.282,7.385 3.79,9.8 2.667,35.281 3.251,35.865 18.745,51.359
GND on GND "GND_L02_P033" (solid, pour order 33): 79.959,54.305 99.314,34.95 99.314,0.66 2.083,0.66 0.254,2.489 0.254,54.305

## Keep-outs
Keep-Out Layer:
  the board outline again, w0.254

## Other copper
Top level:
  text "Bus test - Enable" at 35.509,62.347 h1.52
  text "Analog test pin" at 1.143,28.067 h1.52
  text "Alim" at 39.776,15.24 h1.52
  text "Test alim - ON" at 30.988,13.843 h1.52
  text "LTC2067 test - Enable" at -14.376,10.922 h1.52
  text "Test alim - OFF" at 46.025,6.858 h1.52

## Dimensions
0,-3.81 to 99.949,-2.794 on Bottom level
-2.667,-0.127 to -5.334,59.944 on Bottom level

## Text inside footprints (layer, text, board x,y; h text height)
BT?: Bottom Assembly "+" at 13.233,34.064 h1.78; Bottom Assembly "-" at 12.852,54.003 h1.78; Bottom Overlay "-" at 12.471,60.353 h1.78; Bottom Overlay "+" at 9.804,30.508 h1.78
C111: Bottom Assembly "-" at 35.614,30.353 h1.52 r270; Bottom Assembly "+" at 35.867,41.402 h1.5 r270; Bottom Overlay "+" at 39.677,43.688 h1.2 r270
LD3: Top Overlay "+" at 75.514,0.57 h0.6
U31: Top Overlay "*" at 47.13,33.608 h1.27; Mechanical 13 "*" at 48.578,33.608 h1.27
U41: Top Overlay "*" at 79.651,36.474 h1.27 r90; Mechanical 13 "*" at 79.651,37.363 h1.27 r90